# Altium PCB WiCAN.PcbDoc (continued)
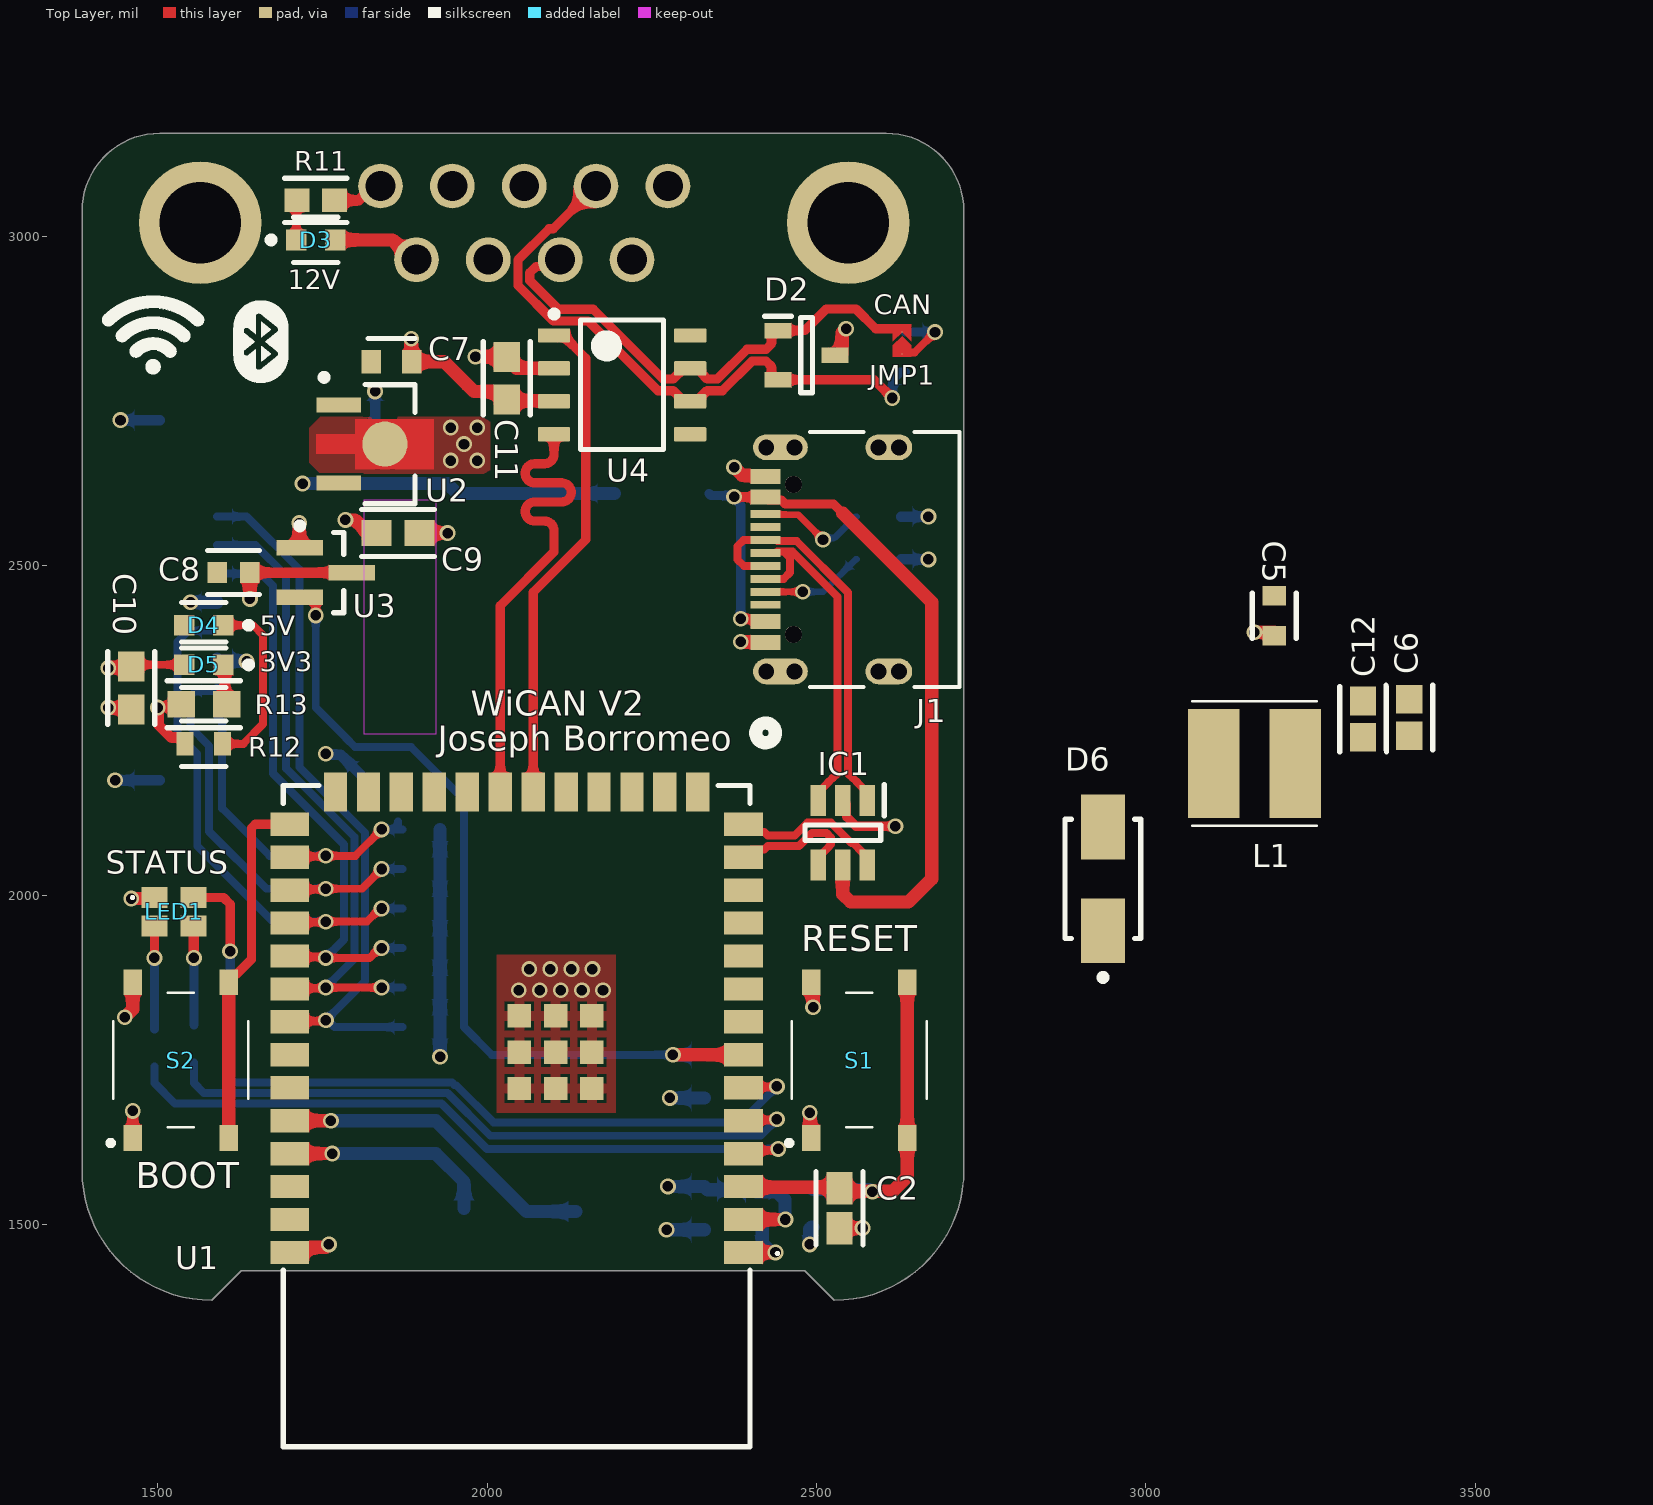
[diagram p0: Top Layer view]
## Footprints (in the part's own frame and the unit in brackets; to place one, negate y for a bottom-side part, rotate by r counter-clockwise, add the part's x,y. Pads: shape width x height; smd on the part's side, far side on the other; paste and mask are expansions set on the pad)
ADS09PPZ [mm]
  round 1.725 hole 1.15: 1(0,0) 2(2.77,0) 3(5.54,0) 4(8.31,0) 5(11.08,0) 6(1.385,-2.84) 7(4.155,-2.84) 8(6.925,-2.84) 9(9.695,-2.84)
  round 4.725 hole 3.15: MH1(-6.955,-1.42) MH2(18.035,-1.42)
  silkscreen extent -9.86,-7.7 20.95,5.6, body extent -9.87,-7.7 20.95,4.85, height 12.6
AP150150K5G13 [mm]
  rect 1.05x2.5 smd: 1(-3.4,-5.765) 2(-1.7,-5.765) 3(0,-5.765) 4(1.7,-5.765) 5(3.4,-5.765)
  rect 10.9x9.1 smd: 6(0,4.135)
  silkscreen extent -5.08,-7.65 5.08,-0.8, body extent -5.51,-3.33 5.49,8.71, height 4.85
CLMVCFKACL1D1L71BB7C3C3 [mm]
  rect 1x0.8 smd: 1(0.75,-0.55) 2(-0.75,-0.55) 3(-0.75,0.55) 4(0.75,0.55)
  silkscreen extent 1.55,-0.6 1.65,-0.5, body extent -1,-1 1,1, height 1.1
D0008A_L [mm] "SOIC, 8-Leads, Body 5x4mm, Pitch 1.27mm, IPC High Density"
  rrect18% 1.25x0.55 smd: 1(-2.625,1.905) 2(-2.625,0.635) 3(-2.625,-0.635) 4(-2.625,-1.905) 5(2.625,-1.905) 6(2.625,-0.635) 7(2.625,0.635) 8(2.625,1.905)
  silkscreen extent -2.75,-2.5 1.6,2.85, body extent -3,-2.45 3,2.45, height 1.63
ESP32S3WROOM1N4 [mm]
  rect 1.5x0.9 smd: 1(-8.75,5.26) 2(-8.75,3.99) 3(-8.75,2.72) 4(-8.75,1.45) 5(-8.75,0.18) 6(-8.75,-1.09) 7(-8.75,-2.36) 8(-8.75,-3.63) 9(-8.75,-4.9) 10(-8.75,-6.17) 11(-8.75,-7.44) 12(-8.75,-8.71) 13(-8.75,-9.98) 14(-8.75,-11.25) 27(8.75,-11.25) 28(8.75,-9.98) 29(8.75,-8.71) 30(8.75,-7.44) 31(8.75,-6.17) 32(8.75,-4.9) 33(8.75,-3.63) 34(8.75,-2.36) 35(8.75,-1.09) 36(8.75,0.18) 37(8.75,1.45) 38(8.75,2.72) 39(8.75,3.99) 40(8.75,5.26)
  rect 0.9x1.5 smd: 15(-6.985,-12.5) 16(-5.715,-12.5) 17(-4.445,-12.5) 18(-3.175,-12.5) 19(-1.905,-12.5) 20(-0.635,-12.5) 21(0.635,-12.5) 22(1.905,-12.5) 23(3.175,-12.5) 24(4.445,-12.5) 25(5.715,-12.5) 26(6.985,-12.5)
  rect 0.9x0.9 smd: 41(-1.5,-2.46) 42(-2.9,-1.06) 43(-2.9,-2.46) 44(-2.9,-3.86) 45(-1.5,-3.86) 46(-0.1,-3.86) 47(-0.1,-2.46) 48(-0.1,-1.06) 49(-1.5,-1.06)
  silkscreen extent -10.1,-12.75 9,12.75, body extent -9.01,-12.76 9.01,12.75, height 3.11
FP-0603-L_1_6_0_1-W_0_8_0-IPC_A [mil]
  rect 49.52x39.85 smd paste+0 mask+0: 1(-30.6,0) 2(30.6,0)
  silkscreen extent -55,-36 55,36, body extent -75,-40 75,40, height 10
FP-AC0603-IPC_A [mil]
  rect 41.68x39.85 smd paste+0 mask+0: 1(-34.52,0) 2(34.52,0)
  silkscreen extent -55,-36 55,36, body extent -75,-40 75,40, height 10
FP-AC0603-MFG [mm]
  rect 0.9x0.8 smd paste+0 mask+0: 1(-0.85,0) 2(0.85,0)
  silkscreen extent -0.85,-0.82 0.85,0.82, body extent -0.8,-0.4 0.8,0.4, height 0.55
FP-CL10-IPC_A [mil]
  rect 45.6x39.85 smd paste+0 mask+0: 1(-32.56,0) 2(32.56,0)
  silkscreen extent -55,-36 55,36, body extent -31,-16 31,16, height 36
FP-CL10-IPC_C [mil]
  rect 29.85x31.97 smd paste+0 mask+0: 1(-24.68,0) 2(24.68,0)
  silkscreen extent -40,-33 40,33, body extent -44,-22 44,22, height 10
FP-ESR03-IPC_B [mil]
  rect 37.72x35.91 smd paste+0 mask+0: 1(-28.62,0) 2(28.62,0)
  silkscreen extent -47,-34 47,34, body extent -57,-28 57,28, height 10
FP-GRM188-0_2-IPC_B [mil]
  rect 43.51x39.61 smd paste+0 mask+0: 1(-27.58,0) 2(27.58,0)
  silkscreen extent -49,-36 49,36, body extent -59,-30 59,30, height 10
FP-GRM188-0_2-IPC_C [mil]
  rect 35.63x35.68 smd paste+0 mask+0: 1(-23.64,0) 2(23.64,0)
  silkscreen extent -41,-35 41,35, body extent -31,-16 31,16, height 39
FP-GRM188-0_2-MFG [mm]
  rect 0.75x0.9 smd paste+0 mask+0: 1(-0.775,0) 2(0.775,0)
  silkscreen extent -0.9,-0.9 0.9,0.9, body extent -1.25,-0.6 1.25,0.6, height 0.25
FP-GRT188-0_15-MFG [mm]
  rect 0.75x0.9 smd paste+0 mask+0: 1(-0.775,0) 2(0.775,0)
  silkscreen extent -0.87,-0.85 0.87,0.85, body extent -1.25,-0.58 1.25,0.58, height 0.25
FP-LTST-C190KGKT-MFG [mm]
  rect 0.8x0.8 smd paste+0 mask+0: 1(-0.75,0) 2(0.75,0)
  silkscreen extent -1.85,-0.87 0.85,0.87, body extent -1.25,-0.55 1.25,0.55, height 0.25
FP-RMCF0603-MFG [mm]
  rect 0.65x0.9 smd paste+0 mask+0: 1(-0.725,0) 2(0.725,0)
  silkscreen extent -0.85,-0.88 0.85,0.88, body extent -0.77,-0.4 0.77,0.4, height 0.55
FP-SMA-MFG [mm]
  rect 2.5x1.7 smd paste+0 mask+0: 1(-2,0) 2(2,0)
  silkscreen extent -3.92,-1.46 2.3,1.46, body extent -3.35,-1.56 3.35,1.56, height 0.25
FP-SOD-123-IPC_A [mm]
  rect 1.308x0.762 smd paste+0 mask+0: 1(-1.825,0)
  rrect100% 1.308x0.762 smd paste+0 mask+0: 2(1.825,0)
  silkscreen extent -2.39,-0.8 1.35,1.01, body extent -1.85,-0.8 1.85,0.8, height 1.35
FP-SOT89-MFG [mm]
  rect 0.58x1.73 smd paste+0 mask+0: 1(-1.5,-1.635) 3(1.5,-1.635)
  round 1.74 smd paste+0 mask+0: 2(0,0.146)
  Top Layer region: -0.38,-2.5 -0.38,-1 -0.967,-1 -0.967,2.03 0.967,2.03 0.967,-1 0.38,-1 0.38,-2.5
  silkscreen extent -2.7,-2.32 2.3,1.3, body extent -2.4,-2.6 2.4,2.13, height 0.25
GCT_MEM2067-02-180-00-A_REVB [mm]
  rect 0.8x1.2 smd: 1(3.225,-2.625) 2(2.125,-2.625) 3(1.025,-2.625) 4(-0.075,-2.625) 5(-1.175,-2.625) 6(-2.275,-2.625) 7(-3.375,-2.625) 8(-4.475,-2.625)
  rect 1.5x2 smd: 9(-6.945,-4.825) 10(-6.945,3.375) 11(6.945,3.375) 12(6.945,-4.825)
  Keep-Out Layer region: 3.85,3.028 -5.155,3.028 -5.155,5.825 3.85,5.825
  silkscreen extent -6.8,-7.22 6.8,7.22, body extent -7.3,-7.22 7.3,7.22, height 1.8
PTS526SM15SMTR2LFS [mm]
  rect 1x0.7 smd: 1(-3,1.85) 2(3,1.85) 3(-3,-1.85) 4(3,-1.85)
  silkscreen extent -3.3,-2.6 2.6,2.8, body extent -3.2,-2.6 3.2,2.6, height 1.55
RESC1608X55X30ML15T15 [mm] "Chip Resistor, 2-Leads, Body 1.60x0.80mm, IPC Low Density"
  rect 0.9x1.05 smd: 1(-0.725,0) 2(0.725,0)
  body extent -0.87,-0.48 0.87,0.48, height 0.55
RESC2013X70X40LL20T20 [mm] "Chip Resistor, 2-Leads, Body 2.00x1.25mm, IPC High Density"
  rect 0.95x1.35 smd: 1(-0.775,0) 2(0.775,0)
  body extent -1.1,-0.72 1.1,0.72, height 0.7
"Solder Jumper" [mil]
  round 1 smd paste+0: 1(-15,0) 2(18.3,0)
  Top Layer region: -26.81,-13.78 -26.81,13.78 -1.22,13.78 -15,0 -1.22,-13.78
  Top Layer region: 4.77,-13.78 -8.81,0.2 4.77,13.78 22.55,13.78 22.55,-13.78
SOT95P230X110-3N [mm]
  rect 1.05x0.6 smd: 1(-1.1,0.95) 2(-1.1,-0.95) 3(1.1,0)
  silkscreen extent -1.63,-1.45 0.23,1.5, body extent -1.2,-1.45 1.2,1.45, height 0.95
SOT95P280X145-6N [mm]
  rect 1.2x0.6 smd: 1(-1.25,0.95) 2(-1.25,0) 3(-1.25,-0.95) 4(1.25,-0.95) 5(1.25,0) 6(1.25,0.95)
  silkscreen extent -1.85,-1.46 0.3,1.6, body extent -1.4,-1.46 1.4,1.46, height 1.45
SOT-23-TT3_M [mm] "SOT23, 3-Leads, Body 2.9x1.3mm, Pitch 0.95mm, Lead Span 2.4mm, IPC Low Density"
  rect 1.8x0.6 smd: 1(-1,0.95) 2(-1,-0.95) 3(1,0)
  silkscreen extent -1.12,-1.55 0.7,1.92, body extent -0.7,-1.52 0.7,1.53, height 1.12
SRR4828A560M [mm]
  rect 4.2x1.98 smd: 1(0,1.575) 2(0,-1.575)
  silkscreen extent -2.4,-2.4 2.4,2.4, body extent -2.4,-2.4 2.4,2.4, height 3.1
TESTPOINT_CIRCLE_1MM [mm]
  round 1 smd: 1(0,0)
USB4105_GCT [mil]
  oval 39x71 smd: 13(-170.08,-49.97) 14(170.08,-49.97)
  oval 39x83 smd: 15(-170.08,114.6) 16(170.08,114.6)
  round 26 hole 26 unplated: 17(-113.78,94.91) 18(113.78,94.91)
  rect 23x45 smd: A1-B12(-125.98,137.24) A4-B9(-94.49,137.24) B1-A12(125.98,137.24) B4-A9(94.49,137.24)
  rect 12x45 smd paste+0 mask+0: A5(-49.21,137.24) A6(-9.84,137.24) A7(9.84,137.24) A8(49.21,137.24) B5(68.9,137.24) B6(29.53,137.24) B7(-29.53,137.24) B8(-68.9,137.24)
  round 24 hole 24 unplated: S_1_H1(-170.08,-34.47) S_1_H2(-170.08,-65.47) S_2_H1(170.08,-34.47) S_2_H2(170.08,-65.47) S_3_H1(-170.08,136.1) S_3_H2(-170.08,93.1) S_4_H1(170.08,136.1) S_4_H2(170.08,93.1)
  Multi-Layer lines w24: -170.08,136.1 -170.08,93.1 ; 170.08,136.1 170.08,93.1 ; -170.08,-34.47 -170.08,-65.47 ; 170.08,-34.47 170.08,-65.47
  silkscreen extent -278,-157 194,152, body extent -189,-152 189,151, height 130

## Part data
C1 C4 C10 C11: library part CMP-13271-002353-1, "Cap Ceramic 100nF 50V X7R ±10% Pad SMD 0603 +125°C T/R", Capacitance=100nF, Case Code (Imperial)=0603, Case Code (Metric)=1608, Max Operating Temperature=125°C, Min Operating Temperature=-55°C, Ratings=AEC-Q200, Tolerance=10%, Voltage Rating=50V, Case/Package=0603, Features="Soft Termination", Lead Free="Lead Free", Length=0.063inch, Mount="Surface Mount", Packaging="Tape and Reel", Thickness=0.035inch, Width=0.031inch
C2: library part CMP-2000-05447-3, "None", Capacitance=1uF, Case Code (Imperial)=0603, Case Code (Metric)=1608, Dielectric=X5R, Max Operating Temperature=85°C, Min Operating Temperature=-55°C, Package Quantity=1, Tolerance=10%, Voltage Rating=50V, Case/Package=0603, Construction=Flat, Contact Plating=Nickel, Depth=0.8mm, Halogen Free="Halogen Free", Height=0.8mm, Length=1.6mm, Mount="Surface Mount", Number of Pins=2, Packaging="Tape and Reel", Radiation Hardening=No, RoHS Compliant=Yes, Series=M, Termination=SMD/SMT, Thickness=0.035inch, Voltage Rating (DC)=50V, Width=0.031inch
C3: library part CMP-2000-06337-3, "Chip Multilayer Ceramic Capacitors for General Purpose, 0603, 22uF, X5R, 15%, 20%, 10V", Capacitance=22uF, Case Code (Imperial)=0603, Case Code (Metric)=1608, Dielectric=X5R, Max Operating Temperature=85°C, Min Operating Temperature=-55°C, Package Quantity=4000, Tolerance=20%, Voltage Rating=10V, Case/Package=0603, Depth=0.8mm, Height=0.8mm, Lead Free="Lead Free", Length=1.6mm, Material=Ceramic, Mount="Surface Mount", Packaging="Tape and Reel", REACH SVHC="No SVHC", Termination=SMD/SMT, Thickness=0.039inch, Voltage Rating (DC)=10V, Weight=0.000222oz, Width=0.8mm
C5: library part CMP-06035-061653-1, "AEC-Q200 Compliant Chip Multilayer Ceramic Capacitors for Infotainment 0603 Package X5R 10uF 10%", Capacitance=10uF, RoHS Compliant=Yes
C6 C12: library part CMP-06035-000956-1, "Chip Multilayer Ceramic Capacitors for General Purpose, 0603, 22uF, X5R, 15%, 20%, 10V", Capacitance=22uF, Dielectric=X5R, Tolerance=20%, Voltage Rating (DC)=10V, Length=1.6mm, Thickness=800um, Width=800um
C7: library part CMP-2006-02788-2, "Chip Multilayer Ceramic Capacitors for General Purpose, 0603, 22uF, X5R, 15%, 20%, 4V", Capacitance=22uF, Case Code (Imperial)=0603, Case Code (Metric)=1608, Dielectric=X5R, Max Operating Temperature=85°C, Min Operating Temperature=-55°C, Package Quantity=4000, Tolerance=20%, Voltage=4V, Case/Package=0603, Depth=0.8mm, Height=0.8mm, Lead Free="Lead Free", Length=1.6mm, Material=Ceramic, Mount="Surface Mount", Packaging="Tape and Reel", Radiation Hardening=No, REACH SVHC="No SVHC", Termination=SMD/SMT, Thickness=0.035inch, Voltage Rating=4V, Voltage Rating (DC)=4V, Width=0.8mm
C8: library part CMP-13271-001938-1, "Cap Ceramic 10uF 6.3V X5R ±20% Pad SMD 0603 +85°C T/R", Capacitance=10uF, Case Code (Imperial)=0603, Case Code (Metric)=1608, Dielectric=X5R, Max Operating Temperature=85°C, Min Operating Temperature=-55°C, Package Quantity=1, Tolerance=20%, Voltage=6.3V, Case/Package=0603, Contact Plating=Tin, Depth=0.8mm, Height=0.8mm, Length=1.6mm, Mount="Surface Mount", Packaging="Tape and Reel", Radiation Hardening=No, Thickness=0.035inch, Voltage Rating=6.3V, Width=0.031inch
C9: library part CMP-13271-001457-1, "Cap Ceramic 1uF 16V X5R ±10% Pad SMD 0603 +85°C T/R", Capacitance=1uF, Case Code (Imperial)=0603, Case Code (Metric)=1608, Dielectric=X5R, Max Operating Temperature=85°C, Min Operating Temperature=-55°C, Package Quantity=1, Tolerance=10%, Voltage=16V, Case/Package=0603, Contact Plating=Tin, Depth=0.8mm, Height=0.8mm, Lead Free="Lead Free", Length=1.6mm, Material=Ceramic, Mount="Surface Mount", Packaging="Tape and Reel", Radiation Hardening=No, Thickness=0.035inch, Voltage Rating=16V, Voltage Rating (DC)=16V, Width=0.031inch
D1: library part CMP-56206-000012-1, "DIODE SCHOTTKY 20V 1A SOD123", Average Rectified Current=1A, Forward Voltage=360mV, Max Forward Surge Current (Ifsm)=12A, Max Operating Temperature=125°C, Max Power Dissipation=556mW, Max Repetitive Reverse Voltage (Vrrm)=20V, Min Operating Temperature=-65°C, Package Quantity=1, Element Configuration=Single, Forward Current=1A, Lead Free="Lead Free", Max Reverse Voltage (DC)=20V, Max Surge Current=12A, Mount="Surface Mount", Number of Pins=2, Packaging="Tape and Reel", Peak Non-Repetitive Surge Current=12A, Radiation Hardening=No, RoHS Compliant=Yes
D2: "Diode", Manufacturer_Name=Nexperia, Mouser Part Number=771-PESD2CANFD24U-TR, Arrow Part Number=PESD2CANFD24U-TR, Arrow Price/Stock=https://www.arrow.com/en/products/pesd2canfd24u-tr/nexperia, Datasheet Link=https://assets.nexperia.com/documents/data-sheet/PESD2CANFD24U-T.pdf, Height=1.1mm, Manufacturer_Part_Number=PESD2CANFD24U-TR, Mouser Price/Stock=https://www.mouser.co.uk/ProductDetail/Nexperia/PESD2CANFD24U-TR?qs=vmHwEFxEFR%252BPr2so13o7KA%3D%3D
D3 D5: library part CMP-2000-05197-2, "LED GREEN CLEAR CHIP SMD", Case Code (Imperial)=0603, Case Code (Metric)=1608, Color=Green, Forward Current=30mA, Forward Voltage=2V, Lens Color=Colorless, Max Operating Temperature=85°C, Min Operating Temperature=-55°C, Package Quantity=1, Power Dissipation=75mW, Reverse Voltage=5V, Test Current=20mA, Case/Package=0603, Depth=0.8mm, Dominant Wavelength=571nm, Height=0.8mm, Illumination Color=Green, Lead Free="Lead Free", Length=1.6mm, Lens Style=Diffused, Lens Transparency=Clear, Luminous Intensity=35mcd, Mount="Surface Mount", Number of Elements=1, Number of LEDs=1, Number of Pins=2, Packaging="Tape and Reel", Power Rating=75mW, Radiation Hardening=No, Viewing Angle=130°, Wavelength=574nm, Width=0.8mm
D4: library part CMP-2000-05197-2, "LED GREEN CLEAR CHIP SMD", Case Code (Imperial)=0603, Case Code (Metric)=1608, Color=Green, Forward Current=30mA, Forward Voltage=2V, Lens Color=Colorless, Max Operating Temperature=85°C, Min Operating Temperature=-55°C, Package Quantity=1, Power Dissipation=75mW, Test Current=20mA, Case/Package=0603, Depth=0.8mm, Dominant Wavelength=571nm, Height=0.8mm, Illumination Color=Green, Lead Free="Lead Free", Length=1.6mm, Lens Style=Diffused, Lens Transparency=Clear, Luminous Intensity=35mcd, Mount="Surface Mount", Number of Elements=1, Number of LEDs=1, Number of Pins=2, Packaging="Tape and Reel", Power Rating=75mW, Radiation Hardening=No, Reverse Voltage=5V, Viewing Angle=130°, Wavelength=574nm, Width=0.8mm
D6: library part CMP-1667-00003-3, "DIODE SCHOTTKY 40V 3A SMA", Average Rectified Current=3A, Capacitance=250pF, Case/Package=SMA, Forward Voltage=500mV, Max Forward Surge Current (Ifsm)=80A, Max Operating Temperature=125°C, Max Repetitive Reverse Voltage (Vrrm)=40V, Max Reverse Current=500uA, Min Operating Temperature=-55°C, Package Quantity=5000, Contact Plating=Tin, Current=3A, Current Rating=3A, Element Configuration=Single, Forward Current=3A, Height=2.3mm, Lead Free="Lead Free", Length=4.6mm, Max Reverse Voltage (DC)=40V, Mount="Surface Mount", Number of Pins=2, Output Current=3A, Packaging="Tape and Reel", Peak Non-Repetitive Surge Current=80A, Polarity=Standard, Radiation Hardening=No, REACH SVHC="No SVHC", RoHS Compliant=Yes, Series=-, Termination=SMD/SMT, Voltage=40V, Voltage Rating (DC)=40V, Weight=0.002258oz, Width=2.92mm
IC1: "Integrated Circuit", Manufacturer_Name=STMicroelectronics, Mouser Part Number=511-USBLC6-2SC6, Arrow Part Number=USBLC6-2SC6, Arrow Price/Stock=https://www.arrow.com/en/products/usblc6-2sc6/stmicroelectronics?region=nac, Datasheet Link=http://www.st.com/st-web-ui/static/active/en/resource/technical/document/datasheet/CD00050750.pdf, Height=1.45mm, Manufacturer_Part_Number=USBLC6-2SC6, Mouser Price/Stock=https://www.mouser.co.uk/ProductDetail/STMicroelectronics/USBLC6-2SC6?qs=po45yt2pPpu%2FhNIlwQdTlg%3D%3D
IC2: "Integrated Circuit", Manufacturer_Name="Diodes Inc.", Mouser Part Number=621-AP1501-50K5G-13, Arrow Part Number=AP1501-50K5G-13, Arrow Price/Stock=https://www.arrow.com/en/products/ap1501-50k5g-13/diodes-incorporated?region=nac, Datasheet Link=https://www.diodes.com/assets/Datasheets/AP1501.pdf, Height=4.85mm, Manufacturer_Part_Number=AP1501-50K5G-13, Mouser Price/Stock=https://www.mouser.co.uk/ProductDetail/Diodes-Incorporated/AP1501-50K5G-13?qs=oUsD4qhOtFyyLLjAHWqfUw%3D%3D
J1: "No Description Available", Mfr_Name="Global Connector Technology", Copyright="Copyright (C) 2022 Ultra Librarian. All rights reserved.", Digi-Key_Part_Number_1=2073-USB4105-GF-ACT-ND, Digi-Key_Part_Number_2=2073-USB4105-GF-ADKR-ND, Digi-Key_Part_Number_3=2073-USB4105-GF-ATR-ND, Manufacturer_Part_Number=USB4105-GF-A, RefDes=RefDes, Type=DEV
J2: "Micro SD Memory Card ConnectorSMT, Hinged, 1.80mm Profile", Package=None, Availability=Unavailable, MP=MEM2067-02-180-00-A_REVB, Price=None
J3: "Connector", Manufacturer_Name="ASSMANN WSW components GmbH", Manufacturer_Part_Number="A-DS 09 PP/Z", Datasheet Link=https://datasheet.datasheetarchive.com/originals/distributors/DKDS-12/220555.pdf, Height=12.35mm
L1: "Inductor", Inductance=47uH, Manufacturer_Name=Bourns, Mouser Part Number=652-SRR4828A-470M, Arrow Part Number=SRR4828A-470M, Arrow Price/Stock=https://www.arrow.com/en/products/srr4828a-470m/bourns, Datasheet Link=https://www.bourns.com/docs/Product-Datasheets/SRR4828A.pdf, Height=3mm, Manufacturer_Part_Number=SRR4828A-470M, Mouser Price/Stock=https://www.mouser.co.uk/ProductDetail/Bourns/SRR4828A-470M?qs=EU6FO9ffTwekJ%252BqixsyVcA%3D%3D
LED1: library part CLMVC-FKA-CL1D1L71BB7C3C3, "LED", Manufacturer_Name=Wolfspeed, Mouser Part Number=941-CLMVCFKACL1D1L71, Arrow Part Number=CLMVC-FKA-CL1D1L71BB7C3C3, Arrow Price/Stock=https://www.arrow.com/en/products/clmvc-fka-cl1d1l71bb7c3c3/cree-led?region=nac, Datasheet Link=https://www.cree.com/led-components/media/documents/1273-CLMVC-FKA.pdf, Height=1mm, Manufacturer_Part_Number=CLMVC-FKA-CL1D1L71BB7C3C3, Mouser Price/Stock=https://www.mouser.co.uk/ProductDetail/Cree-LED/CLMVC-FKA-CL1D1L71BB7C3C3?qs=fSnNYG2PaKLJAXXrLOgMiQ%3D%3D
R1 R5 R6 R7 R8 R9 R10: library part CMP-26527-000153-1, "10kΩ ±5% 0.1W 0603 Thick Film Chip Resistor AEC-Q200 compliant", Case Code (Imperial)=0603, Case Code (Metric)=1608, Max Operating Temperature=155°C, Max Power Dissipation=100mW, Min Operating Temperature=-55°C, Package Quantity=1, Resistance=10kR, Resistor Type="Thick Film", Temperature Coefficient=200ppm/°C, Tolerance=5%, Case/Package=0603, Contact Plating=Tin, Features="Automotive AEC-Q200", Height=0.022inch, Length=0.061inch, Mount="Surface Mount", Number of Terminations=2, Packaging="Tape and Reel", Radiation Hardening=No, RoHS Compliant=Yes, Series=RMCF, Width=0.031inch
R2 R4: library part CMP-1012-00045-2, Manufacturer=Panasonic, Package=0603, Resistance=62R, Part Number=ERJ-3GEYJ620V
R3 R12: library part CMP-26527-006784-1, "280Ω ±1% 0.1W 0603 Thick Film Chip Resistor AEC-Q200 compliant", Case Code (Imperial)=0603, Case Code (Metric)=1608, Max Operating Temperature=155°C, Max Power Dissipation=100mW, Min Operating Temperature=-55°C, Resistance=280R, Resistor Type="Thick Film", Temperature Coefficient=100ppm/°C, Tolerance=1%, Case/Package=0603, Contact Plating=Tin, Features="Automotive AEC-Q200", Height=0.022inch, Lead Free="Lead Free", Length=0.061inch, Mount="Surface Mount", Number of Terminations=2, Packaging="Tape and Reel", Radiation Hardening=No, RoHS Compliant=Yes, Series=RMCF, Width=0.031inch
R11: library part CMP-08839-029062-1, "750Ω ±5% 0.25W 0603 Anti-Surge Chip Resistor AEC-Q200", Case Code (Imperial)=0603, Case Code (Metric)=1608, Max Operating Temperature=155°C, Max Power Dissipation=250mW, Min Operating Temperature=-55°C, Package Quantity=1, Resistance=750R, Resistor Type="Thick Film", Temperature Coefficient=200ppm/°C, Tolerance=5%, Case/Package=0603, Features="Automotive AEC-Q200", Height=0.022inch, Height - Seated (Max)=0.022inch, Length=0.063inch, Number of Terminations=2, Packaging="Tape and Reel", RoHS Compliant=Yes, Series=ESR, Width=0.032inch
R13: library part CMP-03412-011629-2, "RES 100Ω 1.00% 0.1W 0603", Case/Package=0603, Resistance=100R, Tolerance=1%, RoHS Compliant=Yes
R14: library part CMP-2001-00481-1, Manufacturer=Panasonic, Package=0805, Resistance=120R, Part Number=ERJ-P06J121V
R15 R16: library part CMP-03412-003579-2, "RES 5.1KΩ 1.00% 0.1W 0603", Resistor=5.1k, RoHS Compliant=Yes
S1 S2: library part PTS526_SM15_SMTR2_LFS, "Switch", Arrow Part Number="PTS526 SM15 SMTR2 LFS", Manufacturer_Name="C & K COMPONENTS", Mouser Part Number=611-PTS526SM15SMTR2L, Arrow Price/Stock=https://www.arrow.com/en/products/pts526-sm15-smtr2-lfs/ck?region=nac, Datasheet Link=https://www.mouser.com/datasheet/2/60/pts526-1651200.pdf, Height=1.5mm, Manufacturer_Part_Number="PTS526 SM15 SMTR2 LFS", Mouser Price/Stock=https://www.mouser.co.uk/ProductDetail/CK/PTS526-SM15-SMTR2-LFS?qs=UXgszm6BlbENivbslIA%252B5g%3D%3D
TP1 TP2: library part TESTPOINT_1MM_CIRCLE, "TESTPOINT 1MM CIRCLE"
U1: "Integrated Circuit", Manufacturer_Name="Espressif Systems", Mouser Part Number=356-ESP32-S3WROOM1N4, Datasheet Link=https://www.espressif.com/sites/default/files/documentation/esp32-s3-wroom-1_wroom-1u_datasheet_en.pdf, Height=3.25mm, Manufacturer_Part_Number=ESP32-S3-WROOM-1-N4, Mouser Price/Stock=https://www.mouser.co.uk/ProductDetail/Espressif-Systems/ESP32-S3-WROOM-1-N4?qs=Li%252BoUPsLEnsO%2FkiJOUK0FQ%3D%3D
U2: library part CMP-12756-000007-1, "IC REG LINEAR 3.3V 800MA SOT89", Dropout Voltage=1.2V, Manufacturer="Diodes Inc.", Max Junction Temp=+125°C, Max Supply Voltage=15V, Nominal Supply Current=4mA, Output Current=1.35A, Output Voltage=3.3V, Package=SOT89, Temperature="-20°C to +125°C", Temperature Range Low=-20°C, Accuracy Percentage=1%, Automotive=No, Category=IC, ComponentLink2Description=Datasheet, ComponentLink2URL=https://www.diodes.com/assets/Datasheets/AZ1117C.pdf, Device Class L1="Integrated Circuits (ICs)", Device Class L2="Power Management ICs", Device Class L3="Voltage Regulators - Linear", Digikey Description="IC REG LINEAR 3.3V 800MA SOT89", Footprint Url=https://www.diodes.com/assets/Package-Files/SOT89.pdf, Height=1.6mm, Lead Free=Yes, Manufacturer Part Number=AZ1117CR-3.3TRG1, Mouser Description="DiodesZetex AZ1117CR-3.3TRG1, LDO Regulator, 800mA, 3.3 V, ±1% 3-Pin, SOT-89", Number Of Outputs=1, Octopart=https://octopart.com/az1117cr-3.3trg1-diodes+inc.-30954805, Output Type=Fixed, RoHS=TRUE, Temperature Range High=+125°C
U3: library part CMP-0192-00220-1, "Low-Power Linear Active Thermistor IC, 3-Pin SOT-23, Extended Temperature, Tape and Reel", Code_IPC=SOT23-3, DatasheetVersion="revE, Apr-2009", PackageDescription="3-Lead Plastic Small Outline Transistor (TT) [SOT-23]", PackageReference=SOT-23-TT3, PackageVersion="revBB, Aug-2009"
U4: library part CMP-0315-00073-2, "3.3 V CAN Transceiver, 17 mA, -40 to 85 degC, 8-pin SOIC (D), Green (RoHS & no Sb/Br)", Drivers Per Package=1, Manufacturer="Texas Instruments", Rating=Catalog, Supply Voltage(s)(V)=3.3, Code_JEDEC=MS-012AA, ComponentLink1Description=Datasheet, ComponentLink1URL=http://www.ti.com/general/docs/lit/getliterature.tsp?genericPartNumber=SN65HVD232&fileType=pdf, DatasheetVersion=SLOS346K, Eco-Plan="Green (RoHS & no Sb/Br)", ICC(Max)(mA)=17, Isolated=No, Mounting Technology="Surface Mount", PackageDescription="8-Pin Plastic Small Outline Integrated Circuit, 4.9 x 3.9 mm, Pitch 1.27 mm Pitch", PackageReference=D0008A, PackageVersion="revM, Jun-2011", PartNumber=SN65HVD232D, Receivers Per Package=1, SubFamily=CAN, Transient Pulse Protection(V)="-25 to 25"

## Via types
v1: diameter 24, hole 16, Top Layer to Bottom Layer, 79 vias

## Nets (pads, with @x,y where several pads share a name; then routed paths per layer and width w, separated by ;. In a path a pad name is that pad's centre, name@x,y a point inside that pad or via, vN(x,y) a via of type N, cw(c..) or ccw(c..) an arc to the next point about the centre after c; other vN are vias at no path point)
5V_SW: D6.1 IC2.2 L1.1
+5: C6.2 C8.2 C12.2 D1.1 D4.2 IC2.4 L1.2 U2.3 | length 479.4
  Bottom Layer w20: v1(1720,2625) 1939.7,2625 1954.7,2610 D1.1
+12: C5.2 D3.2 IC2.1 J3.9 | length 135.7
  Top Layer w20: D3.2 1856.6,2995 1886.6,2965 J3.9
BOOT: S2.3 S2.4 U1.27 | length 548.6
  Top Layer w14: S2.4 1607.83,1874.02 1614.61,1880.8 1620.52,1880.8 1642.29,1902.57 1642.29,2102.09 1648.12,2107.91 U1.27
  Top Layer w20: S2.3 S2.4
CAN_N: D2.2 J3.2 R14.2 U4.6 | length 959.3
  Top Layer w14: J3.2 2100.5,3011.84 2094.21,3011.84 2046.85,2964.48 2046.85,2925.92 2100.94,2871.83 2153.61,2871.83 2259.44,2766 2282.54,2766 2290.74,2757.8 2290.74,2753.83 2294.57,2750 U4.6 2322.13,2750 2325.95,2753.83 2325.95,2757.8 2334.15,2766 2357.25,2766 2402.25,2811 2423.61,2811 2431.82,2802.8 2431.82,2787.41 2436.63,2782.6 D2.2 2587.4,2782.6 v1(2615,2755)
  Bottom Layer w14: v1(2615,2755) 2615.43,2755.43 2615.43,2782.79 2627.13,2794.49 R14.2
CAN_P: D2.1 J3.7 JMP1.1 U4.7 | length 761.3
  Top Layer w14: J3.7 2100.63,2954.68 2074.55,2954.68 2064.85,2944.98 2064.85,2933.38 2108.4,2889.83 2161.07,2889.83 2266.9,2784 2282.54,2784 2290.74,2792.2 2290.74,2796.17 2294.57,2800 U4.7 2322.13,2800 2325.95,2796.17 2325.95,2792.2 2334.15,2784 2349.8,2784 2394.8,2829 2423.61,2829 2431.82,2837.2 2431.82,2852.59 2436.63,2857.4 D2.1 2482.4,2857.4 2515,2890 2560,2890 2590,2860 2615,2860
CC1: J1.A5 R15.2 | length 159.2
  Top Layer w10: J1.A5 v1(2479.21,2460.79)
  Bottom Layer w10: v1(2479.21,2460.79) 2510.35,2460.79 2559.57,2510 R15.2
CC2: J1.B5 R16.2 | length 169.4
  Top Layer w10: J1.B5 2423.72,2577.94 2472.06,2577.94 v1(2510,2540)
  Bottom Layer w10: v1(2510,2540) 2512.68,2542.68 2527.25,2542.68 2559.57,2575 R16.2
D_ESD_N: IC1.4 U1.13 | length 200.8
  Top Layer w12: U1.13 2401.2,2069.63 2420.85,2069.63 2426.14,2074.91 2473.72,2074.91 2493.39,2094.59 2515.23,2094.59 2522.26,2087.56 2522.26,2077.62 2518.19,2073.55 2518.19,2073.19 2502.6,2057.6 IC1.4
D_ESD_P: IC1.6 U1.14 | length 237.1
  Top Layer w12: U1.14 2401.2,2096.2 2420.85,2096.2 2426.14,2090.91 2467.09,2090.91 2486.76,2110.59 2521.86,2110.59 2553.04,2079.41 2555.95,2079.41 2563.11,2072.26 2563.11,2071.89 2577.4,2057.6 IC1.6
D_N: IC1.3 J1.A7 J1.B7 | length 534
  Top Layer w12: J1.B7 2450.47,2480.47 2460,2490 2460,2512.81 2452.97,2519.84 ; J1.A7 2439.26,2519.84 2441.11,2521.68 2463.56,2521.68 2532,2453.25 2532,2184.86 2524.97,2177.83 2524.05,2177.83 2516.89,2170.68 2516.89,2170.32 2502.6,2156.02 IC1.3
D_P: IC1.1 J1.A6 J1.B6 | length 600.2
  Top Layer w12: J1.A6 2389.84,2500.16 2380,2510 2380,2530 2389.53,2539.53 J1.B6 2439.26,2539.53 2441.11,2537.68 2470.19,2537.68 2548,2459.88 2548,2184.86 2555.03,2177.83 2555.95,2177.83 2563.11,2170.68 2563.11,2170.32 2577.4,2156.02 IC1.1
GND: C1.1 C2.2 C3.1 C4.1 C5.1 C6.1 C7.1 C8.1 C9.1 C10.1 C11.1 C12.1 D2.3 D6.2 IC1.2 IC2.3 IC2.5 IC2.6 J1.A1-B12 J1.B1-A12 J2.6 J2.9 J2.10 J2.11 J2.12 J3.3 J3.5 J3.6 J3.MH1 J3.MH2 R11.1 R12.2 R13.2 R15.1 R16.1 S1.1 S1.2 S2.1 S2.2 U1.1 U1.40 U1.41 U1.42 U1.43 U1.44 U1.45 U1.46 U1.47 U1.48 U1.49 U2.1 U3.3 U4.2 | length 1769
  Top Layer w14: IC1.2 2545.81,2138.4 2545.81,2119.19 2560,2105 v1(2620,2105)
  Top Layer w16: S2.1 v1(1462.17,1672.83) ; R13.2 1532.01,2286.53 1501.53,2286.53 v1(1500,2285) 1501.53,2283.47 1501.53,2257.96 1519.77,2239.72 1536.66,2239.72 1541.46,2234.92 R12.2 ; C8.1@1639.84,2489.84 1640,2490 U3.3 ; R11.1 1804.95,3055 1826.76,3076.81 J3.5
  Top Layer w20: v1(1425,2285) 1425.77,2284.23 1458.21,2284.23 C10.1 ; v1(1450,1815) 1462.17,1827.17 S2.2 ; C8.1@1639.84,2489.84 1639.84,2450.16 v1(1640,2450) ; U1.40 1708.23,1465.63 1755.63,1465.63 v1(1760,1470) ; C9.1@1900,2552.44 C9.1 v1(1940,2550) ; v1(1982.44,2817.56) C11.1 2030,2814.68 2044.68,2800 U4.2 ; v1(2375,2650) 2387.52,2637.48 2421.26,2637.48 J1.B1-A12 ; v1(2385,2385) 2385.49,2384.51 2422.27,2384.51 J1.A1-B12 ; U1.1 v1(2437.91,1457.91) ; v1(2490,1670) 2490,1634.06 S1.1 ; S1.2 2495,1865.28 v1(2495,1830) ; D2.3 2537.17,2820 2538.98,2821.81 2538.98,2853.98 v1(2545,2860) ; C2.2 2535.3,1494.7 2569.7,1494.7 v1(2570,1495) ; v1(3165,2399.49) 3165.16,2399.65 3194.84,2399.65 C5.1@3195,2399.8
  Bottom Layer w16: v1(1435.39,2174.61) J2.9 ; v1(1443.54,2721.46) J2.12 ; v1(1755,2215) 1756.53,2213.47 1777.52,2213.47 1816.38,2174.61 J2.10 ; J2.11 1830,2725.24 v1(1830,2765) ; R15.1 v1(2670,2510) ; R16.1 v1(2670,2575)
  Bottom Layer w20: J2.6 1592.7,2355.77 1634.23,2355.77 v1(1635,2355) ; v1(2272.56,1492.44) C4.1 ; v1(2277.56,1692.44) C1.1 ; C3.1 2417.84,1493.54 2417.84,1471.63 2430.79,1458.68 2437.15,1458.68 v1(2437.91,1457.91)
  other v1: 2048,1856 2080,1856 2112,1856 2144,1856 2176,1856 2064,1888 2096,1888 2128,1888 2160,1888
LED_B: R4.2 U1.6 | length 954.3
  Top Layer w12: U1.6 2390.53,1708.96 2438.96,1708.96 v1(2440,1710)
  Bottom Layer w12: R4.2 1610,1723.03 1617.03,1716 1946.63,1716 1950.89,1711.74 1953.26,1711.74 2010,1655 2385,1655 v1(2440,1710)
LED_G: R2.2 U1.5 | length 1011.3
  Top Layer w12: U1.5 2390.53,1658.96 2438.96,1658.96 v1(2440,1660)
  Bottom Layer w12: R2.2 1555,1715 1570,1700 1940,1700 2005,1635 2415,1635 v1(2440,1660)
LED_R: R3.1 U1.4 | length 1069
  Top Layer w12: U1.4 2394.28,1612.7 2439.79,1612.7 v1(2442.09,1615)
  Bottom Layer w12: R3.1 1495,1715 1526,1684 1931,1684 2000,1615 v1(2442.09,1615)
MCU_EN: C2.1 R1.2 S1.3 S1.4 U1.3 | length 647.8
  Top Layer w20: U1.3 2390.65,1556.76 2533.84,1556.76 2539.83,1550.77 2584.23,1550.77 v1(2585,1550) 2585.77,1550.77 2615.77,1550.77 2637.83,1572.83 S1.3 S1.4
  Bottom Layer w20: R1.2 2580.37,1553.54 2583.92,1550 v1(2585,1550)
MCU_Temp_In: C1.2 U1.7 U3.2 | length 1306.7
  Top Layer w12: U3.2 1734.19,2452.6 1740,2446.79 v1(1740,2425)
  Top Layer w20: v1(2282.09,1757.91) U1.7
  Bottom Layer w12: v1(1740,2425) 1740,2285 1785,2240 1785,2239.78 1799.78,2225 1885,2225 1965,2145 1965,1800 2007.09,1757.91 v1(2282.09,1757.91)
  Bottom Layer w20: v1(2282.09,1757.91) 2282.26,1757.74 2329.82,1757.74 C1.2
NetD3_1: D3.1 R11.2 | length 60.4
  Top Layer w12: D3.1 1710.47,3054.09 R11.2
NetD4_1: D4.1 R12.1 | length 275.6
  Top Layer w12: R12.1 1630,2230 1660,2260 1660,2395 1645,2410 D4.1
NetD5_1: D5.1 R13.1 | length 62.1
  Top Layer w16: D5.1 1602.02,2347.51 1602.02,2292.49 R13.1
NetJ2_1: J2.1 R7.1 U1.33 | length 1085.1
  Top Layer w12: U1.33 1701.74,1809.14 1754.22,1809.14 v1(1755.45,1810.38)
  Bottom Layer w12: J2.1 1635,2575 1715,2495 1715,2195 1815,2095 1815,1869.93 v1(1755.45,1810.38) 1758.1,1810.38 1768.48,1800 R7.1
NetJ2_2: J2.2 R8.1 U1.32 | length 982.5
  Top Layer w12: U1.32 1701.56,1858.96 1753.96,1858.96 v1(1755,1860) v1(1840,1860)
  Bottom Layer w12: J2.2 1648.31,2531.69 1695,2485 1695,2192.37 1799,2088.37 1799,1904 v1(1755,1860) ; v1(1840,1860) R8.1
NetJ2_3: J2.3 R9.1 U1.31 | length 892.3
  Top Layer w12: U1.31 1701.97,1906.46 1753.54,1906.46 v1(1755,1905) 1821.75,1905 1836.75,1920 v1(1840,1920)
  Bottom Layer w12: J2.3 1656.61,2488.39 1675,2470 1675,2185 1783,2077 1783,1933 v1(1755,1905) ; v1(1840,1920) R9.1
NetJ2_5: J2.5 R10.1 U1.30 | length 812.1
  Top Layer w12: U1.30 1701.56,1958.96 1753.96,1958.96 v1(1755,1960) 1817.57,1960 1837.57,1980 v1(1840,1980)
  Bottom Layer w12: J2.5 1546.77,2401.77 1530,2385 1530,2245 1560,2215 1560,2075 1675,1960 v1(1755,1960) ; v1(1840,1980) R10.1
NetJ2_7: J2.7 R5.1 U1.29 | length 659.9
  Top Layer w12: U1.29 1701.56,2008.96 1753.96,2008.96 v1(1755,2010) 1810,2010 v1(1840,2040)
  Bottom Layer w12: J2.7 1584.84,2310 1557.03,2310 1550,2302.97 1550,2255 1578.05,2226.95 1578.05,2096.95 1665.03,2009.97 1674.97,2009.97 ; 1675,2010 v1(1755,2010) ; v1(1840,2040) R5.1
NetJ2_8: J2.8 R6.1 U1.28 | length 522.4
  Top Layer w12: U1.28 1701.56,2058.96 1753.96,2058.96 v1(1755,2060) 1800,2060 v1(1840,2100)
  Bottom Layer w12: J2.8 1597.87,2263.98 1597.87,2132.13 1670,2060 v1(1755,2060) ; v1(1840,2100) R6.1 ; R6.1@1864.66,2108.28 R6.1@1864.66,2112.3
NetJMP1_2: JMP1.2 R14.1 | length 107.9
  Top Layer w12: 2630,2824.25 2649.25,2824.25 v1(2680,2855)
  Bottom Layer w14: R14.1 2635.26,2855.26 2679.74,2855.26 v1(2680,2855)
NetLED1_2: LED1.2 R4.1 | length 244.1
  Top Layer w14: LED1.2 1599.89,1996.65 1610,1986.54 v1(1610,1915)
  Bottom Layer w14: R4.1 v1(1610,1915)
NetLED1_3: LED1.3 R2.1 | length 150
  Top Layer w16: LED1.3 1554.76,1953.11 1554.76,1905.24 v1(1555,1905)
  Bottom Layer w14: R2.1 v1(1555,1905)
NetLED1_4: LED1.4 R3.2 | length 156.5
  Top Layer w14: v1(1495,1905) 1495.24,1905.24 1495.24,1953.11 LED1.4
  Bottom Layer w14: R3.2 v1(1495,1905)
NetU1_20: U1.20 U4.1 | length 754.1
  Top Layer w14: U1.20 2070,2460 2150,2540 2150,2815.43 2115.43,2850 U4.1
NetU1_21: U1.21 U4.4 | length 754.1
  Top Layer w14: U1.21 2020,2439.7 2101.65,2521.35 2101.65,2546.69 2101.65,2553.69 ccw(c2087.15,2553.69) 2087.15,2568.19 2072.39,2568.19 cw(c2072.39,2582.69) 2072.39,2597.19 2113.21,2597.19 ccw(c2113.21,2611.69) 2113.21,2626.19 2072.39,2626.19 cw(c2072.39,2640.69) 2072.39,2655.19 2087.15,2655.19 ccw(c2087.15,2669.69) 2101.65,2669.69 2101.65,2693.69 U4.4
RX: TP1.1 U1.36 | length 491.6
  Top Layer w20: U1.36 v1(1762.91,1657.91)
  Bottom Layer w20: v1(1762.91,1657.91) 1922.09,1657.91 2060,1520 TP1.1
TX: TP2.1 U1.37 | length 322.3
  Top Layer w20: U1.37 v1(1765,1607.91)
  Bottom Layer w20: v1(1765,1607.91) 1922.09,1607.91 1965,1565 TP2.1
VBUS: D1.2 IC1.5 J1.A4-B9 J1.B4-A9 | length 1253.7
  Top Layer w14: v1(2375,2605) 2375.51,2604.49 J1.B4-A9 2427.26,2599.99 2446.67,2599.99 2448.62,2598.04 2452.67,2593.99 2455.26,2593.94 2526.06,2593.94 2540,2580 ; v1(2385,2420) 2418.28,2420 J1.A4-B9
  Top Layer w20: IC1.5 2540,2001.72 2551.72,1990 2640,1990 2675,2025 2675,2445 2540,2580
  Bottom Layer w14: D1.2 2339.91,2606.94 2370.36,2606.94 2372.29,2605 v1(2375,2605) 2375,2602.29 2385,2592.29 v1(2385,2420)
VCC: C3.2 C4.2 C7.2 C9.2 C10.2 C11.2 D5.2 J2.4 LED1.1 R1.1 R5.2 R6.2 R7.2 R8.2 R9.2 R10.2 U1.2 U2.2 U3.1 U4.3 | length 1234.9
  Top Layer w12: C10.2 1462.44,2350 D5.2
  Top Layer w20: v1(1425,2345) 1425.77,2345.77 C10.2@1458.21,2345.77 ; v1(1460,1995) LED1.1@1493.82,1995 ; v1(1715,2565) 1715,2529.21 1716.81,2527.4 U3.1@1733.19,2527.4 ; v1(1785,2570) 1799.64,2570 1819.64,2550 C9.2 C9.2@1830,2552.44 ; v1(1885,2845) 1885,2810.51 C7.2 1935,2810 1970.03,2774.97 1980.08,2764.92 2020.08,2764.92 2030,2755 C11.2 2031.61,2750.83 2100.83,2750.83 U4.3 ; U1.2 v1(2452.91,1507.91)
  Bottom Layer w20: v1(1550,2445) 1589.92,2445 J2.4 ; R6.2 R5.2 R10.2 R9.2 R8.2 R7.2 1928.62,1799.92 1928.62,1755.12 v1(1928.71,1755.03) ; v1(2274.64,1558.07) 2274.9,1557.82 2329.74,1557.82 C4.2 2334.46,1553.1 2405.54,1553.1 2408.64,1550 2440,1550 2452.15,1537.85 2452.15,1508.68 v1(2452.91,1507.91) ; v1(2490,1470) 2490,1493.66 2492.8,1496.46 R1.1
  other v1: 1945,2660 1985,2660 1965,2685 1945,2710 1985,2710
pads on no net: J1.13 J1.14 J1.15 J1.16 J1.17 J1.18 J1.A8 J1.B8 J1.S_1_H1 J1.S_1_H2 J1.S_2_H1 J1.S_2_H2 J1.S_3_H1 J1.S_3_H2 J1.S_4_H1 J1.S_4_H2 J3.1 J3.4 J3.8 U1.8 U1.9 U1.10 U1.11 U1.12 U1.15 U1.16 U1.17 U1.18 U1.19 U1.22 U1.23 U1.24 U1.25 U1.26 U1.34 U1.35 U1.38 U1.39 U4.5 U4.8

## Polygon pours and split planes (outlines as drawn)
GND on Top Layer "GND_L01_P003" (solid, pour order 3): 2015,1910 2195,1910 2195,1670 2015,1670
VCC on Top Layer "VCC_L01_P002" (solid, pour order 2): 1730,2710 1746.49,2726.49 1992.41,2726.49 2005,2719.26 2005,2645 1995,2640 1746.49,2640 1730,2656.49
GND on GND (split plane): 2614.27,3136.52 2622.76,3135.41 2631.11,3133.55 2639.28,3130.98 2647.18,3127.71 2654.77,3123.75 2661.99,3119.16 2668.78,3113.94 2675.09,3108.16 2680.87,3101.85 2686.08,3095.06 2690.68,3087.84 2694.63,3080.25 2697.91,3072.35 2700.48,3064.18 2702.34,3055.83 2703.45,3047.34 2703.8,3039.43 2703.74,3038.79 2703.74,1582.1 2703.8,1581.4 2703.45,1570.53 2702.31,1559.02 2700.43,1547.6 2697.8,1536.33 2694.44,1525.26 2690.37,1514.42 2685.59,1503.88 2680.13,1493.68 2674.02,1483.85 2667.28,1474.44 2659.94,1465.5 2652.03,1457.05 2643.58,1449.14 2634.64,1441.8 2625.23,1435.06 2615.4,1428.95 2605.2,1423.49 2594.66,1418.72 2583.83,1414.64 2572.75,1411.28 2561.48,1408.65 2550.07,1406.77 2538.55,1405.63 2535.13,1405.52 2496.44,1444.21 2493.4,1446.71 2489.92,1448.57 2486.15,1449.71 2482.23,1450.1 1626.85,1450.1 1622.93,1449.71 1619.16,1448.57 1615.69,1446.71 1612.64,1444.21 1573.95,1405.52 1570.53,1405.63 1559.02,1406.77 1547.6,1408.65 1536.33,1411.28 1525.26,1414.64 1514.42,1418.72 1503.88,1423.49 1493.68,1428.95 1483.85,1435.06 1474.44,1441.8 1465.5,1449.14 1457.05,1457.05 1449.14,1465.5 1441.8,1474.44 1435.06,1483.85 1428.95,1493.68 1423.49,1503.88 1418.72,1514.42 1414.64,1525.26 1411.28,1536.33 1408.65,1547.6 1406.77,1559.02 1405.63,1570.53 1405.28,1581.4 1405.35,1582.1 1405.35,3038.79 1405.28,3039.43 1405.63,3047.34 1406.75,3055.83 1408.6,3064.18 1411.17,3072.35 1414.45,3080.25 1418.4,3087.84 1423,3095.06 1428.21,3101.85 1433.99,3108.16 1440.3,3113.94 1447.09,3119.16 1454.31,3123.75 1461.9,3127.71 1469.81,3130.98 1477.97,3133.55 1486.32,3135.41 1494.81,3136.52 1502.73,3136.87 1503.36,3136.81 2605.72,3136.81 2606.36,3136.87
VCC on Power (split plane): 2614.27,3136.52 2622.76,3135.41 2631.11,3133.55 2639.28,3130.98 2647.18,3127.71 2654.77,3123.75 2661.99,3119.16 2668.78,3113.94 2675.09,3108.16 2680.87,3101.85 2686.08,3095.06 2690.68,3087.84 2694.63,3080.25 2697.91,3072.35 2700.48,3064.18 2702.34,3055.83 2703.45,3047.34 2703.8,3039.43 2703.74,3038.79 2703.74,1582.1 2703.8,1581.4 2703.45,1570.53 2702.31,1559.02 2700.43,1547.6 2697.8,1536.33 2694.44,1525.26 2690.37,1514.42 2685.59,1503.88 2680.13,1493.68 2674.02,1483.85 2667.28,1474.44 2659.94,1465.5 2652.03,1457.05 2643.58,1449.14 2634.64,1441.8 2625.23,1435.06 2615.4,1428.95 2605.2,1423.49 2594.66,1418.72 2583.83,1414.64 2572.75,1411.28 2561.48,1408.65 2550.07,1406.77 2538.55,1405.63 2535.13,1405.52 2496.44,1444.21 2493.4,1446.71 2489.92,1448.57 2486.15,1449.71 2482.23,1450.1 1626.85,1450.1 1622.93,1449.71 1619.16,1448.57 1615.69,1446.71 1612.64,1444.21 1573.95,1405.52 1570.53,1405.63 1559.02,1406.77 1547.6,1408.65 1536.33,1411.28 1525.26,1414.64 1514.42,1418.72 1503.88,1423.49 1493.68,1428.95 1483.85,1435.06 1474.44,1441.8 1465.5,1449.14 1457.05,1457.05 1449.14,1465.5 1441.8,1474.44 1435.06,1483.85 1428.95,1493.68 1423.49,1503.88 1418.72,1514.42 1414.64,1525.26 1411.28,1536.33 1408.65,1547.6 1406.77,1559.02 1405.63,1570.53 1405.28,1581.4 1405.35,1582.1 1405.35,3038.79 1405.28,3039.43 1405.63,3047.34 1406.75,3055.83 1408.6,3064.18 1411.17,3072.35 1414.45,3080.25 1418.4,3087.84 1423,3095.06 1428.21,3101.85 1433.99,3108.16 1440.3,3113.94 1447.09,3119.16 1454.31,3123.75 1461.9,3127.71 1469.81,3130.98 1477.97,3133.55 1486.32,3135.41 1494.81,3136.52 1502.73,3136.87 1503.36,3136.81 2605.72,3136.81 2606.36,3136.87

## Silkscreen, mask and mechanical layers (free items; w line width, h text height)
Top Overlay:
  drawing of 7 lines, arcs and shapes, not listed
  text "CAN" at 2587,2882 h30
  text "WiCAN V2" at 1975,2260 h65
  text "Joseph Borromeo" at 1925,2206.78 h65
Bottom Overlay:
  drawing of 3 lines, arcs and shapes, not listed
Board Shape:
  the board outline again, w0.5